# Altium PCB NUCLEOG431RB-Custom-IN-A2212.PcbDoc (part 4 of 5) (continued)
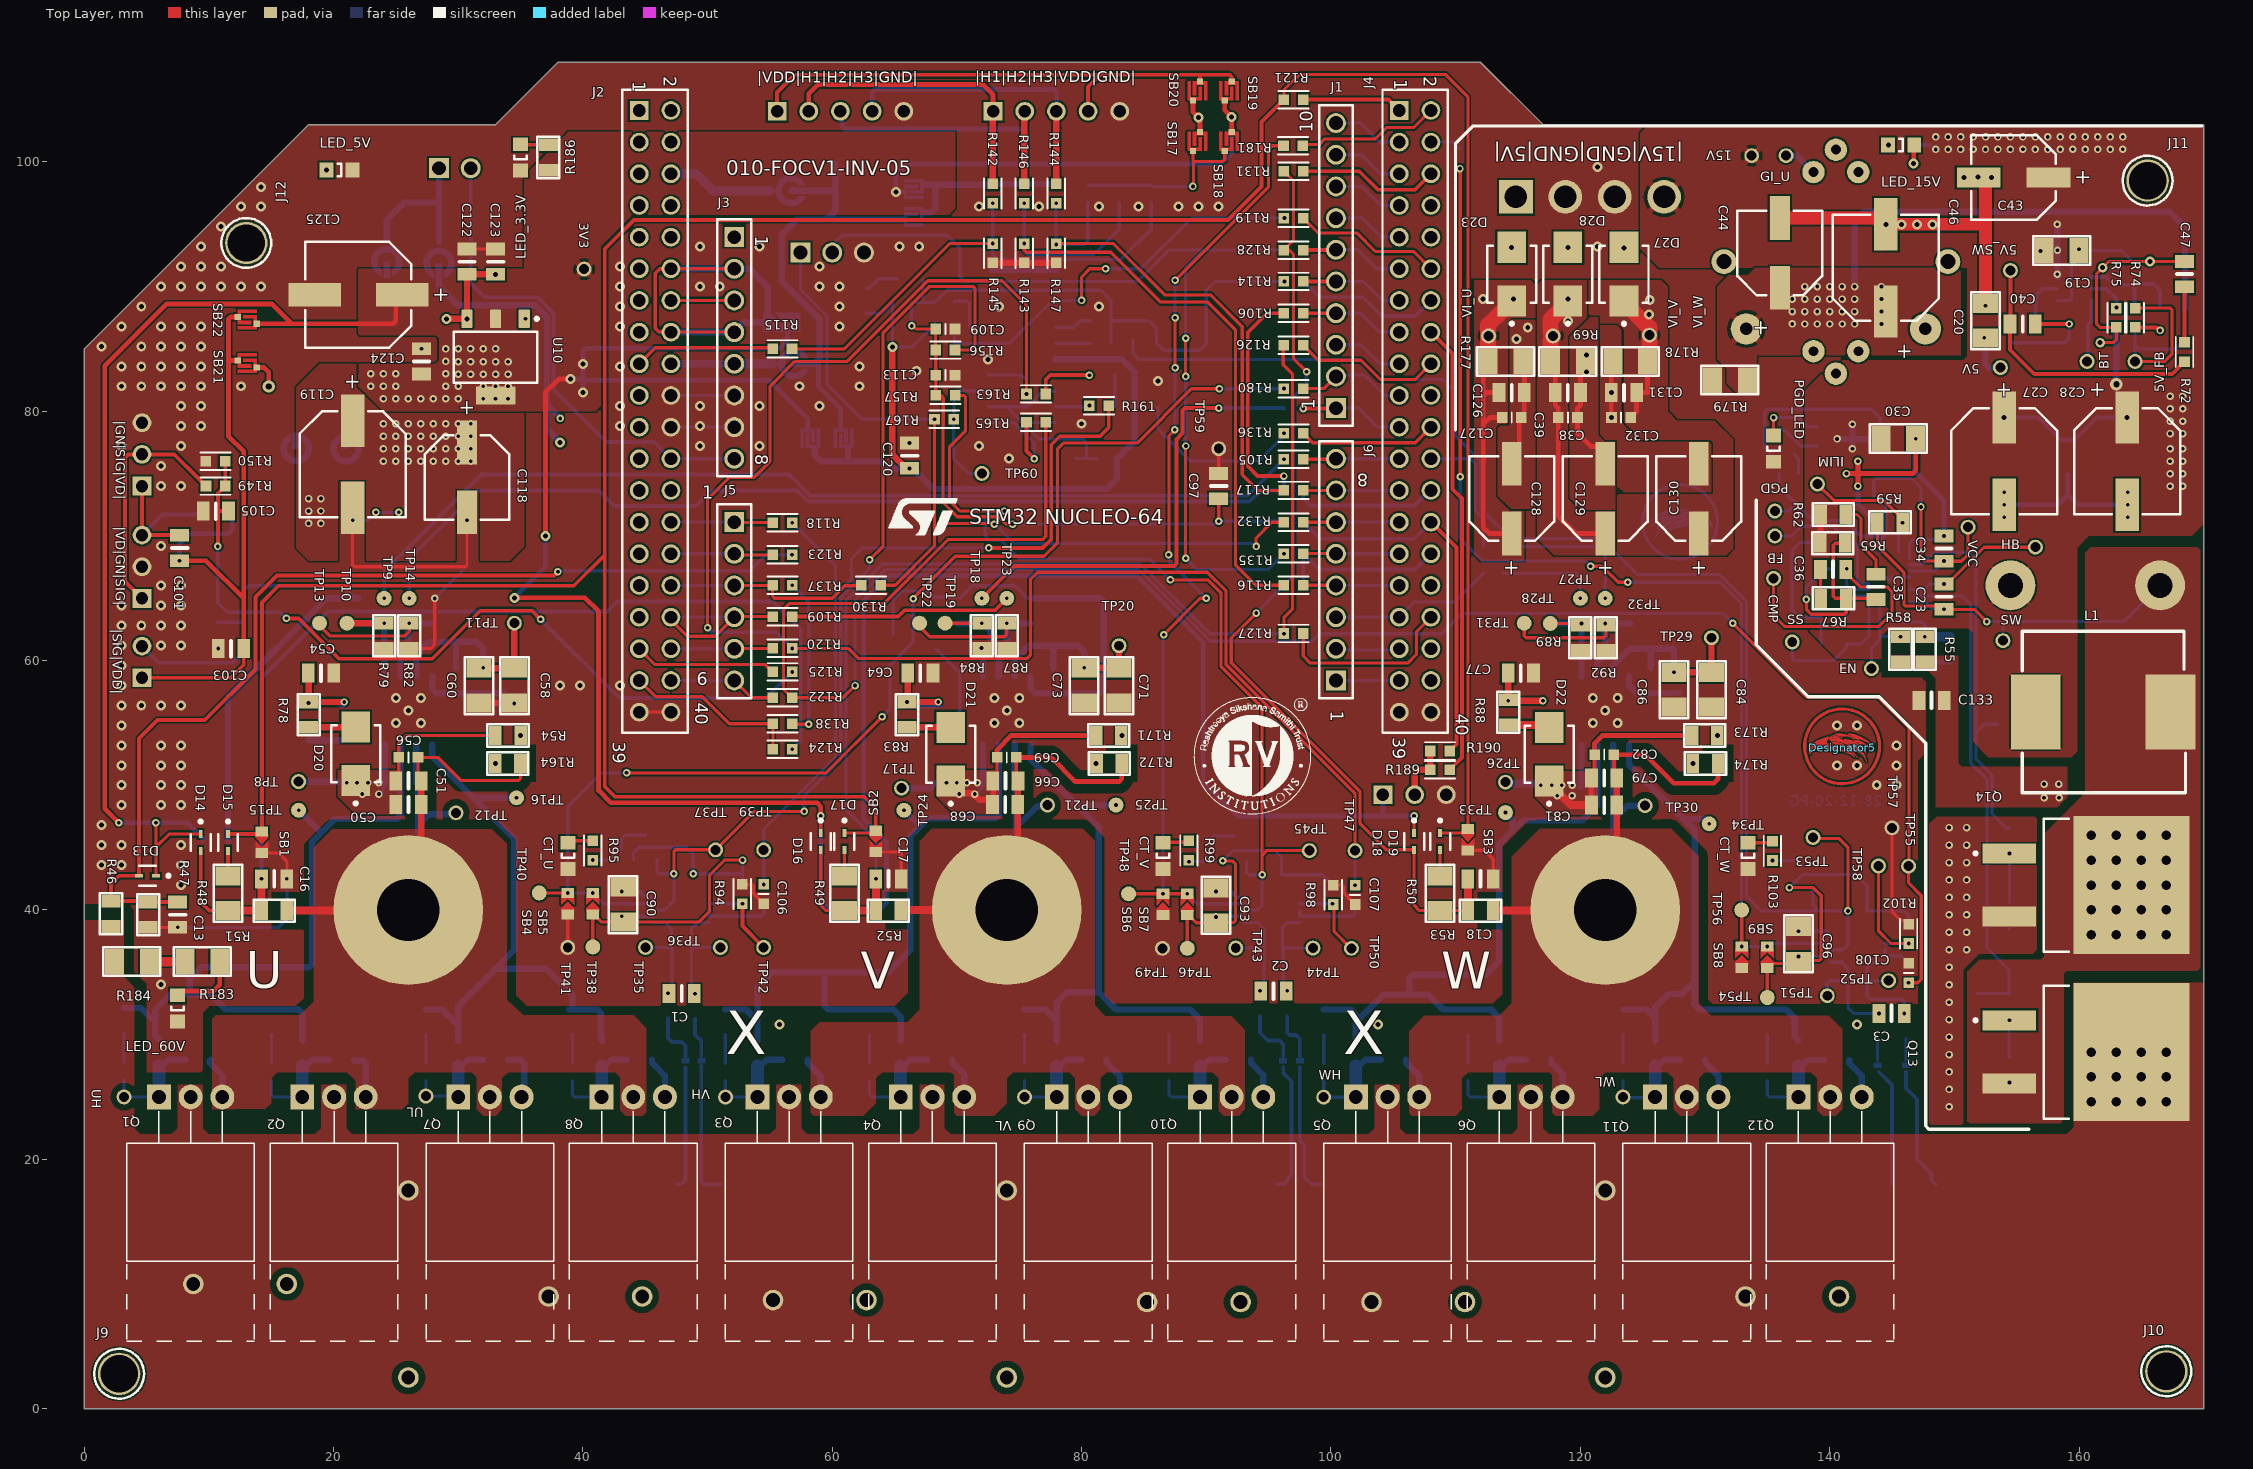
[diagram p0: Top Layer view]
## Nets (pads, with @x,y where several pads share a name; then routed paths per layer and width w, separated by ;. In a path a pad name is that pad's centre, name@x,y a point inside that pad or via, vN(x,y) a via of type N, cw(c..) or ccw(c..) an arc to the next point about the centre after c; other vN are vias at no path point) (continued)
V_Shunt_W_P: C3.1 C94.1 R39.1 TP51.1 U7.1 | length 10.3
  Bottom Layer w0.254: TP51.1@139.809,33.122 139.809,34.181 139.958,34.33 141.434,34.33 C94.1@141.465,34.299 ; U7.1@140.015,35.814 140.969,35.814 141.465,35.318 C94.1@141.465,34.299 ; v1(143.954,31.703) 141.912,31.703 141.465,32.15 C94.1@141.465,34.299
VCC_HB_U: C126.2 C127.2 C128.2 D23.1 R54.2 R177.1 VI_U.1 | length 26.1
  Top Layer w0.381: R177.1@112.603,84 112.225,83.622 112.225,81.225 ; C126.2@113.484,81.5 112.5,81.5 112.225,81.225 ; C127.2@113.725,79.5 112.729,79.5 112.225,78.996 ; C128.2@114.5,70.2 112.699,70.2 112.225,70.674 112.225,78.996 ; 112.225,78.996 112.225,81.225
  Top Layer w1.27: R177.1@112.603,84 VI_U.1@112.603,86.04 ; VI_U.1@112.65,86.04 VI_U.1@112.603,86.04 ; C128.2@114.335,71.315 114.5,71.15 C128.2@114.5,70.2 ; v2(114.65,89) D23.1@114.5,88.85 113.917,88.267 113.917,88.235 112.603,86.921 VI_U.1@112.603,86.04
  other v2: 35.007,54 112.206,89.01
VCC_HB_V: C38.2 C39.2 C129.2 D28.1 R69.1 R171.2 VI_V.1 | length 23.4
  Top Layer w0.254: R171.2@83.184,54 v2(83.227,54)
  Top Layer w0.381: R69.1@117.603,84 117.984,83.619 C39.2@117.984,81.5 117.984,80.503 118.225,80.262 C38.2@118.225,79.5 118.225,71.599 119.624,70.2 C129.2@122,70.2
  Top Layer w1.27: R69.1@117.603,84 117.603,85.834 VI_V.1@117.809,86.04 117.603,86.247 117.603,87.353 D28.1@119,88.75 ; D28.1@119,88.85 D28.1@119,88.75 ; v2(119,89) D28.1@119,88.75 ; D28.1@119.361,88.389 D28.1@119,88.75
  other v2: 118.998,87.226
VCC_HB_W: C130.2 C131.2 C132.2 D27.1 R173.2 R178.2 VI_W.1 | length 11.3
  Top Layer w0.254: R173.2@130.99,54 v2(131,54)
  Top Layer w0.381: C132.2@124.05,79.5 124.5,79.95 124.5,81.484 C131.2@124.516,81.5 125.397,81.5 R178.2@125.397,84
  Top Layer w1.27: D27.1@123.5,88.85 123.5,88.75 125.54,86.71 125.54,85.023 125.524,85.007 125.524,84.127 R178.2@125.397,84
  other v2: 125.5,87.75 125.57,88.941
Z+/H3: C100.2 D26.2 R117.2 R141.1 R144.1 R147.2 | length 42.6
  Top Layer w0.254: v1(77.96,93.37) R147.2@77.96,93.453 82.547,93.453 86.66,89.34 90.337,89.34 92.889,86.787 92.889,74.921 94.161,73.65 R117.2@96.225,73.65
  Bottom Layer w0.254: v1(77.96,96.686) v1(77.96,93.37) 80.17,93.37 80.498,93.698 80.498,96.783 D26.2@80.5,96.786
pads on no net: J3.1 J9.1 J10.1 J11.1 J12.1 T1. U1.7 U1.8 U1.9 U1.16 U5.6 U6.6 U7.6

## Polygon pours and split planes (outlines as drawn)
VCC_HB_W on Top Layer "VCC_HB_W_L01_P031" (solid, pour order 31): 123.517,79.111 124.914,77.715 130.44,77.715 130.665,77.49 130.665,73.432 130.568,73.335 123.085,73.335 122.965,73.215 122.965,68.45 131.7,68.45 132.25,69 132.25,77.75 130.75,79.25 127.75,79.25 127,80 127,90 126.5,90.5 122,90.5 120.665,90.5 120.665,87.841 120.787,87.719 121.498,87.719 121.595,87.622 121.595,87.07 121.643,87.022 123.022,87.022 123.517,86.526
60V on Top Layer "60V_L01_P000" (solid, pour order 0): 0,39.179 0,0 170,0 170,34 169.856,34.144 159.561,34.144 159.56,34.144 159.56,22.56 159,22 157,22 156,22 117.5,22 117,22.5 117,26 115,26 115,22.5 114.5,22 106,22 105.5,22.5 105.5,26 103.5,26 103.5,22.5 103,22 69.5,22 69,22.5 69,26 67,26 67,22.5 66.5,22 58,22 57.5,22.5 57.5,26 55.5,26 55.5,22.5 55,22 21.5,22 21.423,22.077 21,22.5 21,26 19,26 19,22.5 18.5,22 10,22 9.5,22.5 9.5,26 7.5,26 7.5,22.5 7,22 4.5,22 4,22.5 4,33.783 3.196,34.588 3.171,34.842 3.171,39.066 3.055,39.182 2.577,39.179
PH_U on Top Layer "PH_U_L01_P001" (solid, pour order 1): 25.5,24 26,24.5 26,26.5 26.5,27 31.077,27 31.5,26.577 31.5,24 32,23.5 33,23.5 33.5,24 33.5,26.5 34,27 42.577,27 43,26.577 43,23.951 43.451,23.5 44.805,23.5 45.098,23.793 45.098,30.52 44.078,31.54 35.2,31.54 33.9,32.8 33.9,45.3 32.706,46.494 19.894,46.494 18.4,45 18.4,32.64 17.3,31.54 10.54,31.54 10.27,31.27 10.27,24.001 10.269,24 12,24 14.5,24 15,24.5 15,26.5 15.5,27 21.077,27 21.769,26.308 21.769,24
GND_ISO_U on Top Layer "GND_ISO_U_L01_P005" (solid, pour order 5): 116.392,72.342 116.214,72.165 114.458,72.165 113.397,73.226 113.397,78.664 113.574,78.841 114.242,78.841 114.338,78.937 114.338,87.105 114.568,87.335 116.314,87.335 116.392,87.258
GND_ISO_V on Top Layer "GND_ISO_V_L01_P008" (solid, pour order 8): 122.8,72.115 120.118,72.115 119.165,73.068 119.165,85.932 120.787,87.554 121.43,87.554 121.43,78.07 121.95,77.55 122.8,77.55
GND_ISO_W on Top Layer "GND_ISO_W_L01_P016" (solid, pour order 16): 130.5,73.5 123.5,73.5 122.965,74 122.965,77.69 122.94,77.715 122.018,77.715 121.595,78.138 121.595,86.905 122.905,86.905 123.275,86.535 123.275,79.12 124.845,77.55 130.3,77.55 130.5,77.35
VCC_HB_U on Top Layer "VCC_HB_U_L01_P023" (solid, pour order 23): 115.5,72 114.39,72 113.232,73.158 113.232,78.732 113.506,79.006 114.173,79.006 114.173,87.173 114.5,87.5 116.392,87.5 116.392,90.143 116.035,90.5 111.5,90.5 111.5,68.5 112,68 115.5,68
VCC_HB_V on Top Layer "VCC_HB_V_L01_P029" (solid, pour order 29): 116.556,69.793 116.556,90.143 116.913,90.5 120.5,90.5 120.5,87.5 119,86 119,73 120.05,71.95 122.8,71.95 122.8,68.45 117.9,68.45
PH_V on Top Layer "PH_V_L01_P032" (solid, pour order 32): 81.905,31.495 92.005,31.495 93.098,30.402 93.098,24 92.598,23.5 91.405,23.5 91,23.905 91,26.5 90.5,27 82,27 81.5,26.5 81.5,24 81,23.5 80,23.5 79.5,24 79.5,26.5 79,27 74.5,27 74,26.5 74,24.5 73,23.5 71.5,23.5 70,23.5 69.769,23.731 69.769,26.731 69.5,27 64,27 63.5,26.5 63.5,24.5 62.5,23.5 58.5,23.5 58.269,23.731 58.269,30.269 59,31 66,31 67,32 67,45.5 68,46.5 80.1,46.5 81.05,45.55 81.05,32.35
PH_W on Top Layer "PH_W_L01_P034" (solid, pour order 34): 119.75,23.5 121,23.5 121.5,24 121.5,26.5 122,27 127,27 127.5,26.5 127.5,24 128,23.5 129,23.5 129.5,24 129.5,26.5 130,27 138.5,27 139,26.5 139,23.951 139.451,23.5 140.5,23.5 141,24 141,30.5 140.919,30.5 139.919,31.5 130.5,31.5 129.5,32.5 129.5,44.3 127.3,46.5 127.25,46.5 126.5,46.5 116.75,46.5 114.5,44.25 114.5,32.5 113.5,31.5 107.5,31.5 106.269,30.269 106.269,23.731 106.5,23.5 108.095,23.5 110,23.5 110.5,24 110.5,26.5 111,27 117.519,27 117.769,26.75 117.769,23.769 117.75,23.75 118,23.5
NetC23_2 on Top Layer "NETC23_2_L01_P047" (solid, pour order 47): 169.502,35.132 169.728,35.358 169.728,68.858 169.485,69.1 168.55,69.1 168.494,69.1 161.4,69.1 160.95,69.1 160.5,68.65 160.5,68.2 160.5,49.4 157.2,46.1 157.2,36.275 156.917,35.992 151.992,35.992 151.056,35.056 151.056,23.056 151.224,22.887 158.479,22.887 158.806,23.214 158.806,28.607 158.788,28.625 158.788,29.838 158.791,29.841 158.791,34.895 159.028,35.132
5V on Top Layer "5V_L01_P063" (solid, pour order 63): 131.917,90.917 133.45,90.917 134.033,91.5 150.5,91.5 150.5,84.5 134.159,84.5 134.159,81.484 132.516,81.484 131.758,82.242 131.758,83.428 131,84.186 131,90
NetC78_1 on Top Layer "NETC78_1_L01_P066" (solid, pour order 66): 121.4,51.141 116.354,51.141 116.354,49.083 117.796,47.642 121.4,47.642
NetC65_1 on Top Layer "NETC65_1_L01_P088" (solid, pour order 88): 73.4,51.191 68.354,51.191 68.354,49.133 69.796,47.692 73.4,47.692
NetC49_1 on Top Layer "NETC49_1_L01_P089" (solid, pour order 89): 25.5,51.191 20.327,51.191 20.327,49.133 21.769,47.692 25.5,47.692
60V on Top Layer "60V_L01_P094" (solid, pour order 94): 150.262,60.4 150.308,60.4 150.308,51.778 150.585,51.5 159.078,51.5 159.056,51.478 159.056,48.674 158.642,48.26 148.5,48.26 148.5,58.586 148.107,58.979 147.702,59.384 144.916,59.384 144.916,60.4
15V on Top Layer "15V_L01_P095" (solid, pour order 95): 151.509,62.177 151.101,62.584 150.437,62.561 150.414,62.584 144.763,62.584 144.154,61.975 144.154,60.176 144.147,60.169 140.566,60.169 137.995,62.74 137.995,81.656 140.427,84.088 150.715,84.088 151.035,84.409 151.035,91.5 126.349,91.5 124.802,93.046 124.802,102.302 125.5,103 151.304,103 170,103 170,70.973 169.027,70 160.8,70 159.848,69.048 159.848,52.753 159.761,52.656 159.369,52.263 152.727,52.263 151.509,53.481
3v3 on Top Layer "3V3_L01_P096" (solid, pour order 96): 35.3,98.605 35.73,98.605 35.73,99.32 38.815,102.405 69.851,102.405 69.851,96.274 69.344,95.769 43.96,95.769 41.441,93.25 41.441,80.442 40.999,80 24,80 22,82 22.035,83.81 28.191,83.81 28.46,84.079 28.46,85.857 28.214,86.104 22.035,86.104 22,86.139 22,91.43 35.3,91.43
OPAMP_Supply on Top Layer "OPAMP_SUPPLY_L01_P097" (solid, pour order 97): 29.786,68 29.748,68.038 29.748,73.797 31.652,73.797 31.758,73.691 31.758,68 34.139,68 35.3,69.161 35.3,79.835 23.932,79.835 21.835,81.932 21.835,83.686 21.868,83.719 21.779,83.808 21.779,83.81 18.875,83.81 17,81.935 17,69.032 18.032,68 20.351,68 20.351,74.422 20.429,74.501 22.634,74.501 22.634,68
A_GND on Top Layer "A_GND_L01_P099" (solid, remove dead copper, pour order 99): 144.478,102.927 144.404,103 130.775,103 117,103 112,108 38,108 33,103 17.937,103 17.937,102.937 0,85 0,40.5 3.5,40.5 4,40 4,35.067 5,34.067 5,27 9.341,27 9.501,27.16 9.501,31.751 10.059,32.309 16.982,32.309 17.631,32.958 17.597,32.993 17.597,45.247 19.612,47.262 33.025,47.262 34.669,45.618 34.669,33.125 34.695,33.125 35.511,32.309 65,32.309 66.049,33.357 66.049,39.123 66.049,45.746 67.545,47.242 80.407,47.242 81.854,45.795 81.854,33.146 82.5,32.5 112.984,32.5 113.731,33.247 113.731,45.083 115.852,47.203 127.297,47.203 129.5,45 129.5,32.956 130,32.456 130.004,32.46 147.053,32.46 147.053,51.953 147.728,52.628 147.728,58.264 147.731,58.268 147.384,58.615 144.16,58.615 144.154,58.622 144.478,58.946
A_GND on Top Layer "A_GND_L01_P100" (solid, pour order 100): 148.577,47.491 156.46,47.491 156.621,47.33 156.621,36.814 156.295,36.488 151.992,36.488 150.7,35.196 150.7,22.887 150.582,22.769 148.159,22.769 148,22.928 148,41.984 148,46.914
no net on Top Solder "NONET_L-01_P-001" (solid): 169.228,68.608 169.728,68.108 169.728,35.608 169.478,35.358 159.254,35.358 158.802,34.906 158.806,34.903 158.806,23.214 158.479,22.887 151.224,22.887 151.228,22.89 151.228,34.994 152.06,35.827 156.985,35.827 157.478,36.32 157.478,45.858 160.978,49.358 160.978,68.193 161.393,68.608
no net on Top Solder "NONET_L-01_P-001" (solid): 156.295,36.488 156.621,36.814 156.621,47.33 156.46,47.491 152.518,47.491 148.577,47.491 148,46.914 148,22.928 148.159,22.769 150.582,22.769 150.7,22.887 150.7,35.196 151.992,36.488
no net on Top Solder "NONET_L01_P004" (solid, pour order 4): 168.75,12.25 170,12.25 170,34 169.856,34.144 159.883,34.144 159.882,34.144 159.56,33.822 159.56,22.551 159.009,22 117.5,22 117,22.5 117,26 115,26 115,22.5 114.5,22 106,22 105.5,22.5 105.5,26 103.5,26 103.5,22.5 103,22 69.5,22 69,22.5 69,26 67,26 67,22.5 66.5,22 58,22 57.5,22.5 57.5,26 55.5,26 55.5,22.5 55,22 21.5,22 21.423,22.077 20.999,22.501 20.999,26 19,26 19,22.5 18.5,22 10,22 9.5,22.5 9.5,26 7.5,26 7.5,22.5 7,22 0,22 0,21.25 0,12.75 0,11.25 1.5,11.25 11.25,1.5 11.25,0 11.5,0 126,0 153,0 158,0 158,1.5
no net on Top Solder "NONET_L01_P010" (solid, pour order 10): 24,24 25.5,24 26,24.5 26,26.5 26.5,27 31.077,27 31.5,26.577 31.5,24 32,23.5 33,23.5 33.5,24 33.5,26.5 34,27 42.577,27 43,26.577 43,23.951 43.451,23.5 44.805,23.5 45.098,23.793 45.098,30.52 44.078,31.54 35.156,31.54 33.9,32.793 33.9,45.3 32.706,46.494 19.894,46.494 18.4,45 18.4,32.64 17.298,31.54 10.54,31.54 10.27,31.27 10.27,24.001 10.269,24 12,24 14.5,24 15,24.5 15,26.5 15.5,27 21.077,27 21.769,26.308 21.769,24
no net on Top Solder "NONET_L01_P012" (solid, pour order 12): 71.5,23.5 73,23.5 74,24.5 74,26.5 74.5,27 79,27 79.5,26.5 79.5,24 80,23.5 81,23.5 81.5,24 81.5,26.5 82,27 90.5,27 91,26.5 91,23.905 91.405,23.5 92.598,23.5 93.098,24 93.098,30.402 92,31.5 81.897,31.5 81.054,32.346 81.054,45.552 80.105,46.5 68,46.5 67,45.5 67,32 66,31 59,31 58.269,30.269 58.269,23.731 58.5,23.5 60.049,23.5 62.5,23.5 63.5,24.5 63.5,26.5 64,27 69.5,27 69.769,26.731 69.769,23.731 70,23.5
no net on Top Solder "NONET_L01_P013" (solid, pour order 13): 119.75,23.5 121,23.5 121.5,24 121.5,26.5 122,27 127,27 127.5,26.5 127.5,24 128,23.5 129,23.5 129.5,24 129.5,26.5 130,27 138.5,27 139,26.5 139,23.951 139.451,23.5 140.5,23.5 141,24 141,30.5 140.919,30.5 139.919,31.5 130.5,31.5 129.5,32.5 129.5,44.3 127.3,46.5 116.75,46.5 114.5,44.25 114.5,32.5 113.5,31.5 107.5,31.5 106.269,30.269 106.269,23.731 106.5,23.5 108.095,23.5 110,23.5 110.5,24 110.5,26.5 111,27 117.519,27 117.769,26.75 117.769,23.769 117.75,23.75 118,23.5
5V on Bottom Layer "5V_L04_P017" (solid, remove dead copper, pour order 17): 133.5,76 134.487,76.987 134.487,77.5 148.706,77.5 153,81.794 153,87.109 152.024,87.109 151.762,86.848 151.762,83.528 149.568,81.335 139.287,81.335 138.872,81.75 138.869,81.75 138.869,83.753 139.116,84 139.295,84 139.3,83.996 144.5,83.996 145.412,84.908 145.412,90.088 144.322,91.178 137.698,91.178 135.714,89.193 118.506,89.193 117.56,90.14 117.56,102.112 111.894,107.778 38.222,107.778 33.203,102.759 18.157,102.759 15,99.602 15,84.388 14.612,84 14.224,84 13.311,83.087 13.311,81.477 14.075,80.712 14.538,80.712 15,80.25 15,77.7 15.74,76.96 16.698,76.96 16.746,77.008 16.746,78.278 17.254,78.278 17.254,77.076 17.37,76.96 19,76.96 19.574,77.534 19.574,86.068 20.02,86.515 35.875,86.515 37,87.64 39,89.64 39,93.536 44.178,98.713 88.974,98.713 91.867,98.633 96.471,94.029 102.056,94.029 104.288,91.796 104.288,86.212 107.323,83.177 108.99,83.177 110.5,81.667 110.5,78.563 113.063,76
60V on Bottom Layer "60V_L04_P021" (solid, pour order 21): 158.802,48.299 158.842,48.339 164.339,48.339 164.478,48.478 164.475,50 164.475,50.279 163.961,50.793 156.4,50.793 156.4,49.8 156.4,22.9 156.9,22.4 168.9,22.4 168.9,34.33 159.132,34.33 159.101,34.299 158.802,34.598
Net5V_SW_1 on Bottom Layer "NET5V_SW_1_L04_P027" (solid, pour order 27): 139.034,81.966 139.034,83.534 139.287,83.787 145,83.787 145.577,84.364 145.577,89.077 146.725,90.225 157.5,90.225 157.5,89.024 152.024,89.024 151.5,88.5 151.5,83.5 149.5,81.5 139.5,81.5
NetC65_1 on Bottom Layer "NETC65_1_L04_P033" (solid, pour order 33): 67.621,52.066 67.621,48.927 72.143,48.927 72.143,52.066
NetQ7_3 on Bottom Layer "NETQ7_3_L04_P035" (solid, pour order 35): 34,29.483 34.041,29.524 36.018,29.524 37.598,27.944 37.598,24.818 38.916,23.5 45,23.5 45.5,24 45.5,26.025 45.8,26.325 47.303,26.325 47.303,15.692 47.11,15.5 35.516,15.5 34,17.016
NetC49_1 on Bottom Layer "NETC49_1_L04_P036" (solid, pour order 36): 19.653,52.066 19.653,48.927 24.175,48.927 24.175,52.066
NetC78_1 on Bottom Layer "NETC78_1_L04_P037" (solid, pour order 37): 115.621,52.016 115.621,48.877 120.143,48.877 120.143,52.016
3v3 on Bottom Layer "3V3_L04_P046" (solid, pour order 46): 35.71,83.249 35.71,85.69 35.05,86.35 20.089,86.35 19.739,86 19.739,76.954 20.746,76.954 20.746,78.27 21.254,78.27 21.254,77 21.3,76.954 22.26,76.954 22.261,76.952 22.261,79.003 23.259,80 35,80 35.712,80.712 35.712,83.249
OPAMP_Supply on Bottom Layer "OPAMP_SUPPLY_L04_P068" (solid, pour order 68): 15,68.09 15.969,67.121 23.682,67.121 29.393,72.833 29.38,72.846 31.71,75.176 35.176,75.176 35.356,75.356 35.356,79.501 35.022,79.835 23.327,79.835 22.453,78.961 22.441,78.949 22.441,75.266 16.12,75.266 15.822,75.564 15.822,76.04 15.367,76.496 15.367,77.1 15.18,77.287 15,77.287 15,76.171
NetQ9_3 on Bottom Layer "NETQ9_3_L04_P070" (solid, pour order 70): 82.013,29.597 82.052,29.635 83.795,29.635 85.375,28.055 85.375,24.929 86.812,23.492 92.657,23.492 93.524,24.358 93.524,26.383 93.577,26.436 95.323,26.436 95.919,25.841 95.919,20.421 95.387,19.889 95.387,16.111 94.887,15.611 83.293,15.611 82.013,16.891
NetQ11_3 on Bottom Layer "NETQ11_3_L04_P071" (solid, pour order 71): 130.013,29.44 130.209,29.635 130.806,29.635 131.795,29.635 133.375,28.055 133.375,24.929 134.825,23.479 140.645,23.479 141.277,24.111 141.277,26.111 141.577,26.411 141.577,26.436 143.323,26.436 144.109,25.65 144.109,20.611 143.73,20.232 143.73,15.611 131.293,15.611 130.013,16.891
A_GND on Bottom Layer "A_GND_L04_P084" (solid, remove dead copper, pour order 84): 169.704,51.562 170,51.858 170,103 117,103 112,108 38,108 33,103 18,103 0,85 0,0 170,0 170,23.358 169.978,22.391 169.218,21.631 156.582,21.631 155.631,22.582 155.631,51.405 155.788,51.562
A_GND on Bottom Layer "A_GND_L04_P085" (solid, pour order 85): 134,62.744 134,75 131,78 119,78 117,80 117,102 117.5,102.5 169.5,102.5 169.5,52.191 169.25,51.941 155.921,51.941 155.529,51.55 155.529,50.822 155.5,50.793 155.5,44.5 148.5,44.5 148.5,47.458 148.842,47.799 151.361,47.799 152.047,48.485 152.047,51.524 151.521,52.05 148.77,52.05 148.372,52.448 148.372,57.66 147.685,58.346 150.706,58.346 151.024,58.664 151.024,61.204 145.846,61.204 145.796,61.154 145.796,59.033 137.711,59.033
OPAMP_Supply on POWER1 "OPAMP_SUPPLY_L02_P062" (solid, pour order 62): 30.559,49.208 30.335,49.432 30.335,70.335 33.65,73.65 35.198,73.65 35.259,73.71 35.259,79.5 34.759,80 12,80 9,77 9,35 10.5,33.5 17.5,33.5 19,35 19,44 19.933,44.933 31.963,44.933 33,43.896 33,43.55 32.976,43.526 32.976,35 34.781,33.195 64.329,33.195 66,34.867 66,43.877 67.417,45.294 80.552,45.294 81.754,44.092 81.754,35.331 84.085,33 111.447,33 113.5,35.053 113.5,43.7 114.763,44.964 116,45 128.872,45 130.024,43.849 130.024,33.976 131,33 145.105,33 145.881,33.054 147,34.173 147,47.227 145.9,48.326 145.018,49.208
NetC23_2 on POWER1 "BUCK-SWN" (solid, pour order 64): 159.11,30.206 169.416,30.206 170,30.79 170,68.935 161.018,68.935 160.665,68.582 160.665,49.332 157.365,46.032 157.365,36.207 156.985,35.827 152.06,35.827 151.22,34.987 151.22,23.124 151.292,23.052 158.613,23.052 158.685,23.124 158.681,23.127 158.681,29.778
GND_ISO_U on POWER1 "GND_ISO_U_L02_P101" (solid, pour order 101): 114.033,76.033 116.931,78.931 116.931,86.663 116.26,87.335 94.934,87.335 60.098,52.5 30.5,52.5 30.5,49.7 30.7,49.5 70.111,49.5 96.645,76.033
VCC_HB_U on POWER1 "VCC_HB_U_L02_P102" (solid, pour order 102): 30.5,52.665 60.03,52.665 94.865,87.5 116.392,87.5 117.03,88.138 117.03,93.596 112.769,97.857 94.941,97.857 54.084,57 30.973,57 30.5,56.527
GND_ISO_V on POWER1 "GND_ISO_V_L02_P103" (solid, pour order 103): 121.286,53.293 117.493,49.5 78.718,49.5 78.5,49.718 78.5,52.5 88,52.5 97.35,61.85 113.35,61.85 119.206,67.706 119.206,85.027 119.322,85.143 120.832,85.143 121.286,84.689
VCC_HB_V on POWER1 "VCC_HB_V_L02_P104" (solid, pour order 104): 121.5,90.47 120.645,91.325 117.427,91.325 117.195,91.093 117.195,88.07 117.195,78.962 117.195,78.64 114.129,75.575 96.186,75.575 96.186,74.826 78.5,57.14 78.5,52.665 87.772,52.665 97.282,62.175 113.441,62.175 119.041,67.774 119.041,85.095 119.446,85.5 121,85.5 121.5,86
GND_ISO_W on POWER1 "GND_ISO_W_L02_P105" (solid, pour order 105): 121.451,84.854 121.451,51.244 121.741,50.955 122.195,50.5 130,50.5 130,58.886 125.6,63.286 125.6,84.053 124.51,85.143 121.74,85.143
VCC_HB_W on POWER1 "VCC_HB_W_L02_P108" (solid, pour order 108): 129.206,84.676 138.705,75.177 138.823,75.177 138.823,51.323 138,50.5 130.165,50.5 130.165,58.954 125.788,63.331 125.788,84.099 124.579,85.308 122.692,85.308 121.665,86.335 121.665,90.665 122.6,91.6 125.778,91.6 129.206,88.172
5V on POWER1 "5V_L02_P113" (solid, pour order 113): 155.201,81.5 155.992,82.291 155.992,93.508 155,94.5 142.663,94.5 142.163,94 131.35,94 130.794,93.444 130.794,85.329 132.309,83.814 142.547,83.814 143.861,82.5 144.861,81.5
15V on POWER1 "15V_L02_P114" (solid, pour order 114): 160.5,58.792 160.5,68.65 160.95,69.1 170,69.1 170,103 144.551,103 144.551,94.949 144.835,94.665 155.068,94.665 156.157,93.576 156.157,82.223 155.317,81.383 155.249,81.383 155.201,81.335 139.643,81.335 139,80.692 139,72.584 138.988,72.572 138.988,60.012 141.5,57.5 159.208,57.5
A_GND on POWER1 "A_GND_L02_P115" (solid, remove dead copper, pour order 115): 0,85 18,103 33,103 38,108 112,108 117,103 170,103 170,0 0,0
GND_ISO_U on POWER2 "GND_ISO_U_L03_P055" (solid, pour order 55): 116.363,84.863 120.215,88.715 133.215,88.715 139.604,95.104 139.604,99.896 139,100.5 137.5,100.5 136.8,99.8 136.8,95.3 133.1,91.6 116.851,91.6 114.5,89.249 114.5,84.998 114.635,84.863
GND_ISO_V on POWER2 "GND_ISO_V_L03_P083" (solid, pour order 83): 139.168,86.332 137.832,86.332 137,85.5 119.679,85.5 119.206,85.027 119.206,83.294 120,82.5 138.839,82.5 140,83.661 140,85.5
GND_ISO_W on POWER2 "GND_ISO_W_L03_P109" (solid, pour order 109): 118.492,81.571 119.256,82.335 138.915,82.335 140.5,83.92 140.5,85.5 141.5,86.5 143.708,86.5 144.428,85.78 144.428,80.943 142.485,79 119.534,79 118.492,80.042
15V on POWER2 "15V_L03_P110" (solid, pour order 110): 124.2,77.7 121.5,75 43,75 42.672,75 41,76.672 41,80 40,81 38,81 37,80 37,76.754 35.246,75 20,75 18.076,75 17.076,74 17.076,55 21.752,55 21.752,58.752 23,60 30.856,60 30.887,59.969 30.887,58.483 35.658,58.483 35.659,60 64,60 64.199,60 65.382,58.818 65.382,55 66.99,55 67.004,55.014 69.755,55.014 69.755,59.048 70.693,59.986 72.177,60 79.052,60 79.025,59.973 79.025,58.483 84.158,58.483 84.159,60 111,60 112.015,59.985 113,59 113,55 119,55 119,59 119.011,59 120.004,60 126.327,60 126.342,59.985 126.342,58.149 131.678,58.149 131.678,60 150.99,60 151.514,59.476 151.514,53 152.475,52.039 152.525,52.034 158.4,52.034 158.817,52.044 159.774,53 159.774,68.783 160.99,70 170,70 170,103 124.4,103 124.2,102.8
A_GND on POWER2 "NONET_L-01_P-001" (solid, pour order 116): 0,0 0,85 18,103 33,103 38,108 112,108 117,103 170,103 170,0 0,0
no net on Bottom Solder "NONET_L02_P015" (solid, pour order 15): 11.25,1.5 11.25,0 153,0 156.5,0 158,0 158,1.5 168.75,12.25 170,12.25 170,21 151,21 150.957,20.957 149.914,22 0,22 0,12.75 0,11.25 1.5,11.25
no net on Bottom Solder "NONET_L04_P090" (solid, pour order 90): 129.899,17.248 131.537,15.61 143.73,15.61 143.73,20.231 144.109,20.61 144.109,25.649 143.323,26.435 141.576,26.435 141.576,26.41 141.326,26.16 141.326,24.16 140.644,23.478 134.824,23.478 133.374,24.928 133.374,28.054 131.794,29.634 129.899,29.634
no net on Bottom Solder "NONET_L04_P091" (solid, pour order 91): 81.903,29.646 81.903,17.028 82.551,16.38 83.309,15.622 94.903,15.622 95.403,16.122 95.403,19.899 95.935,20.431 95.935,25.851 95.34,26.447 93.593,26.447 93.54,26.394 93.54,24.369 92.674,23.502 86.828,23.502 85.391,24.94 85.391,28.066 83.811,29.646
no net on Bottom Solder "NONET_L04_P092" (solid, pour order 92): 45.497,26.026 45.797,26.326 47.3,26.326 47.3,15.694 47.107,15.501 35.513,15.501 33.997,17.017 33.997,29.534 34.013,29.55 34.038,29.525 36.015,29.525 37.595,27.945 37.595,24.819 38.913,23.501 44.997,23.501 45.497,24.001

## Other copper
Bottom Layer:
  text "28-12-20-PG" at 144.25,48.018 h1.5

## Silkscreen, mask and mechanical layers (free items; w line width, h text height)
Top Overlay:
  drawing of 69 lines, arcs and shapes, not listed
  text "|H1|H2|H3|VDD|GND|" at 71.46,106.084 h1.5
  text "|VDD|H1|H2|H3|GND|" at 54,106.033 h1.5
  text "|15V|GND|GND|5V|" at 128.25,101.622 h2 r180
  text "010-FOCV1-INV-05" at 51.5,98.524 h2
  text "|GN|SIG|VD|" at 2.245,79.25 h1.3 r270
  text "|VD|GN|SIG|" at 2.245,70.75 h1.3 r270
  text "STM32 NUCLEO-64" at 70.996,70.524 h2.03
  text "|SIG|VDD|" at 1.995,62.5 h1.3 r270
  text "U" at 15.939,32.738 h5.08
  text "V" at 65.059,32.676 h5.08
  text "W" at 112.838,32.676 h5.08
  text "X" at 51.472,27.283 h6
  text "X" at 100.972,27.283 h6
Bottom Overlay:
  drawing of 157 lines, arcs and shapes, not listed
  text "|VDD|H1|H2|H3|GND|" at 40.25,106.717 h1.5 r180
  text "|H1|H2|H3|VDD|GND|" at 85.75,106.217 h1.5 r180
  text "NUCLEO-PD" at 33.5,101.268 h1.52
  text "E" at 156.337,93.234 h5.08
  text "|15V|GND|GND|5V|" at 128.75,89.378 h2
  text "Sync-Buck" at 132.253,81.538 h1.52
  text "LM5146-Q1" at 122.7,79.792 h1.4
  text "|GN|SIG|VD|" at 1.255,79.75 h1.3 r90
  text "100-V Synchronous Buck" at 122.7,78.388 h1
  text "Input -24V-75V  / Output - 15V @ 5A / Sw Freq - 100kHz" at 132.25,78.25 h1
  text "DC/DC Controller" at 122.45,77.211 h1
  text "E" at 152.024,72.584 h5.08
  text "This Hardware is" at 89,72.262 h1
  text "Property Of Team Garuda" at 89,71.439 h1
  text "github.com/g-rahul" at 33.252,71.27 h2.41 r270
  text "|VD|GN|SIG|" at 1.255,70.75 h1.3 r90
  text "RV College Of Engineering" at 89,70.439 h1
  text "Bangalore." at 89,69.439 h1
  text "3-phase driver board for BLDC/PMSM motors / Nominal operating voltage - 24 V to 60 V DC / 35 ARMS output current / Operating frequency selectable by firmware / Overcurrent detection and protection (60 Apeak)" at 74.25,68.5 h1
  text "www.projectgaruda.org" at 89.5,67.476 h1.2
  text "Not For Commercial Use" at 88.5,66.262 h1
  text "|SIG|VDD|" at 1.255,62.5 h1.3 r90
  text "Thermal protection  / STM32 Nucleo compatible / 3/1 shunt configuration  / Hall/Encoder motor sensor / Potentiometer for speed reg" at 65.75,62 h1
  text "N" at 95.995,56.386 h5.08
  text "IPC-2152" at 3.485,55 h1.27 r90
  text "IPC-2221B" at 4.986,55 h1.27 r90
  text "|GND|Sig|3V3|" at 111.25,52.788 h1.52
  text "Sponsored By" at 54.5,52.718 h1.2
  text "W" at 139.25,52.25 h5
  text "Project Garuda" at 90.75,51.887 h3.5
  text "010-FOCV1-INV-05" at 146.4,50.344 h1.5
  text "b" at 145,49.408 h10
  text "www.projectgaruda.org" at 95.75,48.995 h1.3
  text "C" at 5,48.5 h5.08 r90
  text "R" at 6.963,44 h6.35 r90
  text "p" at 5.622,41.275 h3.81 r90
  text "U" at 37.5,41.107 h8.89
  text "V" at 84.5,41 h8.89
  text "W" at 135.5,41 h8.89
  text "O" at 6.643,37.979 h6.35 r90
  text "e" at 43.024,33.724 h5.08
  text "e" at 91.774,33.724 h5.08
  text "e" at 133.524,32.474 h5.08
Bottom Solder:
  text "28-12-20-PG" at 144.25,48.018 h1.5
Mechanical1:
  lines w0.254: 0,0 0,85 18,103 33,103 38,108 112,108 117,103 170,103 170,0 0,0
Outline:
  lines w0.254: 0.001,0 0.001,4.299 0,85 18,103 33,103 38,108 112,108 117,103 132,103 170,103 170,0 150,0 0.001,0
Bottom Courtyard:
  drawing of 25 lines, arcs and shapes, not listed
  text "ENGINEER:" at 279.512,6.247 h1.14
  text "TITLE:" at 317.612,6.247 h1.14
  text "PCB DESIGNER:" at 279.512,-1.246 h1.14
  text "DATE:" at 279.512,-8.993 h1.14
  text "PART NO.:" at 317.612,-8.993 h1.14
  text "REV:" at 370.952,-8.993 h1.14
  text ".PRINT_DATE" at 280.782,-12.041 h1.78
  text "FILE NAME:" at 279.512,-16.613 h1.14
  text "DWG NO:" at 317.612,-16.613 h1.14
  text "SCALE:" at 370.952,-16.613 h1.14
  text ".PCB_FILE_NAME_NO_PATH" at 279.702,-19.846 h1.4